# KiCad board popstar_v4.1_no_flex.kicad_pcb (continued)
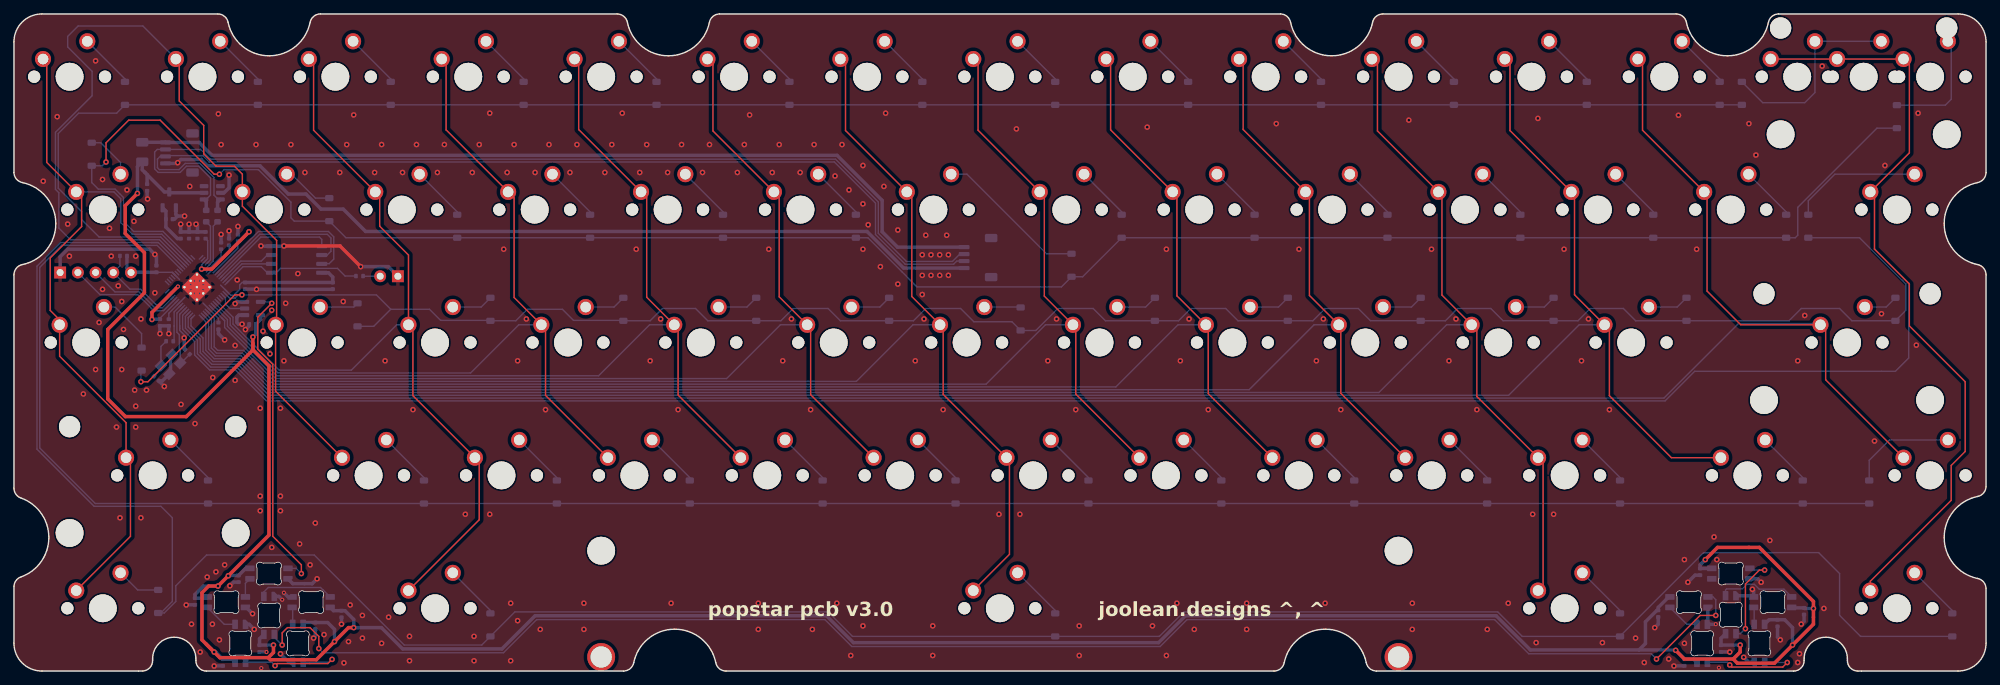
[diagram p0: board, top side]
## Nets (continued)
Net-(D59-A): D59.2 SW49.2
Net-(D60-A): D60.2 SW50.2
Net-(D61-A): D61.2 SW51.2
Net-(D62-A): D62.2 SW52.2
Net-(D63-A): D63.2 SW53.2
Net-(D64-A): D64.2 SW54.2
Net-(D65-A): D65.2 SW55.2
Net-(D66-A): D66.2 SW56.2
Net-(D67-A): D67.2 SW57.2
Net-(D68-A): D68.2 SW58.2
Net-(D69-A): D69.2 SW59.2
Net-(D70-A): D70.2 SW60.2
Net-(D71-A): D71.2 SW61.2
Net-(D72-A): D72.2 SW62.2

Pads without a net: D12 2; J1 MP; J2#2 MP; U3 1 6; U6 4 5 27 28 29 30 31 32 34 35

## Via types
v1: diameter 0.8, hole 0.4, Top to Bottom, 306 vias
v2: diameter 0.6, hole 0.3, Top to Bottom, 7 vias

## Routing (per net, layer and track width the routed paths; a pad name or vN(x,y) marks a point on that pad's centre or on a via; arc(x,y) is an arc through that point)
+1V1: length 32.7
  Top w0.5: v1(19.79,50.4) 19.79,51.41 v2(23.5,55.12) ; v1(26.9,57.62) 28.35,57.62 v1(33.7,62.97)
  Bottom w0.2: U6.50 32.11,60.63 C1.1 ; U6.23 20.93,50.58 C3.1 ; C2.1 27.77,61.7 27.77,59.12 U6.45 26.9,58.25 v1(26.9,57.62)
  Bottom w0.5: C1.1 32.33,61.61 v1(33.7,62.97) ; v1(19.79,50.4) 19.83,50.44 C3.1
+3V3: length 54
  Bottom w0.2: 24.49,53.57 U6.22 22.2,51.29 C9.1 ; C5.1 32.71,55.71 32.36,55.35 32.36,54.72 31.5,53.86 31.09,53.86 U6.1 29.62,55.32 ; 27.57,57.22 U6.48 29.69,59.35 C11.1 ; C12.1 29.31,50.54 U6.10 27.1,52.75 ; C7.1 30.84,59.92 U6.49 27.83,56.92 ; C8.1 22.69,57.16 U6.33 ; U6.33 23.73,56.12 ; U6.33 22.72,57.14
  Bottom w0.5: R1.1 16.2,59.5 16.2,57.71 J2.5 16.81,57.16 C8.1 ; U4.8 45.07,57.1 45.7,56.47 C17.1 45.7,55.71 C5.1 ; C4.1 23.43,61.99 21.78,63.64 C16.1 21.78,65.94 U2.2
+5V: length 466.4
  Top w0.5: 36.45,1.92 37.2,2.66 v1(37.2,3.72) ; 36.45,1.92 29.51,1.92 v1(28.7,2.72) ; 36.45,1.92 36.74,1.62 43.35,1.62 v1(45.95,4.22) 47.95,6.22 v1(48.7,6.22) ; 27.58,3.85 v1(28.7,2.72) ; 27.58,3.85 v1(28.7,2.72) ; 27.58,3.85 26.95,4.47 26.95,11.22 27.91,12.18 v1(29.25,12.18) v1(30.72,13.65) 36.55,19.49 36.55,43.75 34.25,46.05 34.25,46.97 ; 246.45,1.72 247.05,1.12 252.35,1.12 v1(254.95,3.72) 257.95,6.72 v1(257.95,8.97) 257.95,9.97 250.2,17.72 244.2,17.72 v1(242.45,15.97) ; 246.45,1.72 247.45,2.72 v1(247.45,3.72) ; 246.45,1.72 239.45,1.72 v1(238.2,2.97) ; v1(34.25,47.89) 34.25,46.97 ; 34.25,46.97 34.25,46.03 24.7,36.47 15.98,36.47 13.45,39 13.45,48.97 18.7,54.22 18.7,59.97 15.95,62.72 15.95,66.72 v1(17.7,68.47)
  Bottom w0.5: v1(45.95,4.22) 45.95,5.97 44.97,6.95 C22.1 41.71,6.95 D4.1 ; v1(254.95,3.72) 254.95,6.22 253.82,7.35 C27.1 251.61,7.35 D9.1 ; U5.5 35.34,50.38 C18.1 34.68,48.32 v1(34.25,47.89) ; D11.1 244.7,4.7 C29.1 244.72,3.72 v1(247.45,3.72) ; D6.1 35.2,4.62 C24.1 35.22,3.72 v1(37.2,3.72) ; 232.95,3.02 238.15,3.02 v1(238.2,2.97) 239.45,1.72 C26.1 240.8,1.7 D8.1 ; 232.95,3.02 233.87,3.94 233.87,7.06 235.52,8.7 C25.1 235.7,9.12 237.2,10.62 237.38,10.62 ; 232.95,3.02 217.37,3.02 212.47,7.92 167.93,7.92 164.07,4.07 120.33,4.07 116.47,7.92 74.7,7.92 69.95,3.17 55.72,3.17 52.67,6.22 v1(48.7,6.22) 48.7,7.4 47.45,8.65 C23.1 45.8,8.65 D5.1 ; D1.1 33.22,14.72 C19.1 30.77,13.7 v1(30.72,13.65) ; v1(257.95,8.97) 256.68,8.97 C28.1 254.9,9.05 D10.1 ; U3.5 22.38,68.56 U2.3 21.57,68.68 18.74,71.51 ; 18.74,71.51 19.09,71.17 C15.1 ; 18.74,71.51 18.39,71.86 F1.2 17.7,72.32 v1(17.7,68.47) ; v1(28.7,2.72) 28.93,2.72 C21.1 31.25,1.7 D3.1 ; 243.38,14.72 243.36,14.7 C30.1 241.7,15.22 v1(242.45,15.97) ; v1(29.25,12.18) 27.16,12.18 25.95,10.97 C20.1 27.56,10.45 D2.1
GND: length 279.2
  Top w0.5: v1(49.7,57.97) 46.73,60.94 v1(38.71,60.94)
  Top w0.6: U6.57 U6.57 ; U6.57 U6.57 ; U6.57 U6.57 ; U6.57 U6.57 ; U6.57 U6.57 ; U6.57 U6.57 ; U6.57 U6.57 ; U6.57 U6.57 ; U6.57 U6.57 ; U6.57 U6.57 ; U6.57 U6.57 ; U6.57 U6.57 ; U6.57 U6.57 ; U6.57 U6.57 ; U6.57 U6.57 ; U6.57 U6.57
  Bottom w0.2: 34.74,54.75 v1(34.77,54.72) ; v1(24.4,47.77) 24.4,48.19 23.76,48.83 23.76,49.47 ; 23.76,49.47 23.76,51.15 U6.19 ; 23.76,49.47 23.76,49.02 ; 24.48,46.13 C13.1 ; 243.93,6.7 v2(243.95,6.72)
  Bottom w0.5: v2(36.2,2.72) 36.18,2.74 C24.2 ; v1(24.7,9.47) 24.72,9.49 C20.2 ; D3.4 33.73,6.7 v1(34.45,5.97) ; v1(38.71,60.94) 38.68,60.91 U4.4 35.44,60.91 v1(35.41,60.94) ; C25.2 235.7,6.72 v1(235.2,6.22) ; v1(34.77,54.72) 45.68,54.72 C17.2 ; v2(38.7,11.22) 39.3,10.62 D5.4 ; v1(245.95,2.72) 245.93,2.74 C29.2 ; C12.2 29.31,48.36 v1(30.2,47.47) ; J2#2.4 127.53,57.77 122.29,63.02 50.41,63.02 47.2,66.22 44.02,66.22 41.86,68.38 39.32,68.38 35.27,72.43 27.77,72.43 26.86,73.34 23.92,73.34 v1(23.47,72.88) 23.37,72.78 J1.4 ; v1(43.45,13.22) 42.75,12.52 39.98,12.52 39.28,13.22 ; v1(237.95,0.72) 237.97,0.74 C26.2 ; 23.45,65.22 23.21,65.46 U2.1 ; 23.45,65.22 v1(24.45,65.22) ; 23.45,65.22 23.01,64.78 C16.2 ; 243.93,6.7 D8.4 242.83,6.77 D7.4 ; C23.2 v1(46.95,6.72) ; v1(24.4,47.77) 24.4,46.22 C13.1 ; C30.2 240.97,13.74 v1(239.95,12.72) ; C18.2 33.72,49.49 v1(33.18,48.96) ; Y1.2 22.44,45.17 22.44,42.76 Y1.4 21.28,41.6 C14.1 v1(21.56,40.8) ; C5.2 34.74,54.75 ; v1(23.9,64.06) C4.2 C6.2 ; v1(32.7,49.72) 32.2,49.72 31.95,49.97 31.95,50.72 32.25,51.02 U5.1 ; U5.3 31.95,52.92 v1(31.7,52.67) ; C1.2 v1(32.11,63.74) ; v1(20.93,48.37) C3.2 C9.2 v1(22.2,48.37) ; D9.4 248.68,1.25 v1(247.95,1.97) ; D11.4 249.2,10.8 249.38,10.62 249.38,11.55 v1(249.2,11.72) ; D6.4 37.98,10.7 v2(38.45,10.22) ; v1(30.95,12.22) 31.47,12.74 C19.2 ; C21.2 28.72,0.74 v1(28.7,0.72) ; v1(38.2,2.47) 39.43,1.25 D4.4 ; C10.2 26.3,63.86 v1(26.1,64.06) ; C10.2 C6.2 ; C10.2 C2.2 ; v1(250.45,12.72) 249.95,13.22 D12.4 ; v1(34.2,8.22) 33.3,9.12 D2.4 ; v1(30.84,71.1) 30.84,69.28 30.12,68.56 U3.2 ; C6.2 v1(25.1,64.06) ; C8.2 20.42,59.5 v1(20.2,59.72) 19.45,60.47 7.7,60.47 6.62,59.39 J2.1 ; v1(42.95,4.72) 43.2,4.97 C22.2 ; C15.2 19.09,67.74 v1(19.15,67.67) ; v1(256.2,6.72) 256.6,7.12 C28.2 ; v1(253.2,4.47) 252.8,4.87 C27.2 ; C11.2 v1(29.69,62.59) ; C7.2 v1(30.84,63.1) ; SW1.1 53.66,57.97 v1(49.7,57.97)
  vias: v1(4.2,70.22) v1(6.2,79.47) v1(7.7,64.07) v1(7.95,59.47) v1(9.95,39.72) v1(11.7,87.47) v1(11.7,43.22) v1(12.2,49.97) v1(12.7,70.47) v1(12.7,54.72) v1(13.7,63.47) v1(13.95,59.47) v1(14.7,34.97) v1(14.95,55.22) v1(15.2,21.97) v1(15.45,52.97) v1(15.45,43.22) v1(15.7,48.97) v1(16.2,68.97) v1(17.2,64.47) v1(17.3,40.27) v1(17.45,59.47) v1(17.45,37.97) v1(17.45,34.97) v1(18.2,50.47) v1(18.2,21.97) v1(19,40.27) v1(20.2,54.22) v1(23.95,38.22) v1(25.2,69.47) v1(25.45,6.72) v1(25.95,35.47) v1(26.7,2.72) v1(27.7,13.47) v1(28.5,42.07) v1(28.45,6.72) v1(28.95,14.22) v1(29.3,79.87) v1(29.45,4.47) v1(29.7,75.47) v1(30.2,15.22) v1(31.7,46.67) v1(31.7,41.67) v1(32,56.07) v1(34.7,75.47) v1(35.3,37.67) v1(35.3,25.07) v1(35.3,22.97) v1(35.7,48.72) v1(36.7,45.47) v1(36.95,51.72) v1(36.95,17.72) v1(38.2,37.67) v1(38.2,25.07) v1(38.2,22.97) v1(38.7,44.47) v1(38.95,52.72) v1(39.7,75.47) v1(40.7,56.97) v1(40.95,18.22) v1(41.7,71.47) v1(42.45,15.22) v1(43.2,21.22) v1(44.45,5.22) v1(46.7,71.47) v1(47.2,52.97) v1(47.3,1.17) v1(47.7,75.47) v1(47.95,4.22) v1(48.2,9.47) v1(48.7,79.72) v1(49.95,7.97) v1(49.95,4.72) v1(51.7,71.47) v1(52.7,75.47) v1(52.7,3.97) v1(53.2,44.47) v1(53.7,7.72) v1(55.7,71.47) v1(56.7,4.97) v1(56.7,1.47) v1(57.2,37.47) v1(57.7,75.47) v1(60.7,71.47) v1(61.7,75.47) v1(64.7,22.47) v1(65.7,71.47) v1(65.95,4.97) v1(65.95,1.47) v1(66.7,75.47) v1(68.2,79.97) v1(68.2,22.47) v1(70.2,60.47) v1(70.7,71.47) v1(71.2,9.72) v1(71.2,1.47) v1(71.7,75.47) v1(72.2,44.47) v1(72.2,7.22) v1(73.45,50.47) v1(74.7,71.47) v1(75.45,5.97) v1(76.2,37.47) v1(76.7,75.47) v1(79.7,71.47) v1(80.7,75.47) v1(81.7,9.72) v1(81.7,5.97) v1(84.7,71.47) v1(85.7,75.47) v1(87.2,79.97) v1(89.2,60.47) v1(89.7,71.47) v1(90.7,75.47) v1(91.2,44.47) v1(92.7,50.47) v1(93.7,71.47) v1(94.2,9.72) v1(95.2,37.47) v1(95.7,75.47) v1(98.7,71.47) v1(99.7,75.47) v1(103.7,71.47) v1(104.7,75.47) v1(105.45,79.72) v1(106.7,9.72) v1(106.7,5.97) v1(108.2,60.47) v1(108.7,71.47) v1(109.7,75.47) v1(110.2,44.47) v1(111.45,50.47) v1(112.7,71.47) v1(114.2,37.47) v1(114.45,5.97) v1(114.7,75.47) v1(117.7,70.97) v1(117.95,9.72) v1(118.7,75.47) v1(119.7,68.97) v1(119.95,2.22) v1(121.7,72.47) v1(121.7,66.97) v1(121.7,60.47) v1(121.7,6.47) v1(122.45,63.97) v1(124.2,57.97) v1(124.7,69.47) v1(124.95,79.97) v1(126.7,63.22) v1(126.7,55.47) v1(129.2,44.47) v1(130.2,59.67) v1(130.2,56.72) v1(130.2,53.97) v1(130.45,50.47) v1(130.7,62.47) v1(131.45,59.67) v1(131.45,56.72) v1(131.7,6.47) v1(131.7,2.22) v1(132.7,59.67) v1(132.7,56.72) v1(133.2,37.47) v1(133.7,62.47) v1(133.95,59.67) v1(133.95,56.72) v1(141.2,22.47) v1(143.7,77.72) v1(144.2,22.47) v1(148.2,44.47) v1(149.45,50.47) v1(152.2,37.47) v1(152.7,6.47) v1(152.7,2.22) v1(162.45,77.97) v1(163.2,6.47) v1(165.2,60.47) v1(165.2,2.22) v1(166.7,9.72) v1(167.2,44.47) v1(168.45,50.47) v1(169.2,5.97) v1(171.2,37.47) v1(176.7,9.72) v1(176.7,5.97) v1(180.95,78.47) v1(184.2,60.47) v1(186.7,44.47) v1(187.7,50.47) v1(187.95,9.72) v1(190.2,37.47) v1(199.95,78.97) v1(200.45,9.72) v1(200.45,5.97) v1(203.2,60.47) v1(205.7,44.47) v1(206.7,50.47) v1(209.7,37.47) v1(211.2,5.97) v1(214.2,9.72) v1(217.7,22.47) v1(218.2,4.07) v1(218.45,79.22) v1(220.7,22.47) v1(222.2,60.47) v1(224.7,44.47) v1(225.7,50.47) v1(227.7,4.07) v1(228.7,37.47) v1(232.45,4.72) v1(233.7,1.22) v1(237.2,1.72) v1(238.6,79.67) v1(239.45,15.97) v1(239.45,3.97) v1(241.2,60.47) v1(243.7,19.22) v1(244.1,15.97) v1(248.7,78.47) v1(249.7,73.97) v1(251.7,18.72) v1(255.7,44.47) v1(255.7,1.22) v1(255.95,2.47) v1(256.7,50.97) v1(259.2,86.72) v1(259.45,8.97) v1(266.7,32.97) v1(267.7,51.22) v1(268.2,72.47) v1(272.7,46.72) v1(272.95,79.97) v2(35.45,0.42) v2(244.4,0.47)
VBUS: length 126.7
  Bottom w0.5: J2#2.1 126.65,60.77 124.45,62.97 124.45,67.47 118,73.93 28.39,73.93 26.54,75.78 J1.1 21.7,75.8 F1.1
/D_+: length 6.7
  Bottom w0.2: R2.2 28.57,63.78 28.57,58.79 U6.47
/D_-: length 6.4
  Bottom w0.2: U6.46 28.17,58.95 28.17,63.79 R3.2
/XTAL_O: length 5.7
  Bottom w0.2: R4.1 21.07,46.54 Y1.1 21.07,43.27 C14.2
/~{USB_BOOT}: length 2.5
  Bottom w0.2: SW1.2 50.07,56.6 R5.1
ARGB_3V3: length 4.4
  Bottom w0.2: U5.2 30.95,51.97 30.31,52.61 30.31,53.5 U6.3
ARGB_5V: length 46.1
  Top w0.2: v1(41.2,13.97) 41.2,15.22 37.1,19.32 37.1,43.97 34.95,46.13 34.95,50.72 v1(36.95,52.72)
  Bottom w0.2: v1(36.95,52.72) 36.75,52.92 U5.4 ; 39.28,14.72 40.45,14.72 v1(41.2,13.97)
COL00: length 110.6
  Top w0.2: SW2.1 4.7,87.2 4.7,72.92 9.7,67.92 9.7,63.72 5.2,59.22 5.2,51.7 6.55,50.35 SW30.1 6.55,45.13 16.07,35.6 SW43.1 16.7,29.96 16.7,19.31 8.93,11.54
  Bottom w0.2: 8.93,68.69 14.33,68.69 15.3,67.72 15.3,64.31 16.98,62.62 21.19,62.62 U6.40
COL01: length 138.4
  Top w0.2: SW44.1 37.5,40.11 SW31.1 37.65,49.79 37.65,61.74 32.74,66.65 32.74,71.23 31.6,72.37 28.97,72.37 27.2,74.15 27.2,78.22 23.7,81.72 23.7,87.25 SW3.1
  Bottom w0.2: U6.38 20.86,61.82 8.11,61.82 6.43,63.5 6.43,68.57 5.95,69.05 5.95,77.22 11.2,82.47 11.2,85.97 7.7,89.47 7.7,90.97 9.2,92.47 18.48,92.47 SW3.1
COL02: length 125.4
  Top w0.2: 56.55,11.54 66.7,21.69 66.7,29.97 66.09,30.59 SW45.1 57.19,39.48 57.19,49 SW32.1 56.55,59.64 52.43,63.77 52.43,68.05 42.95,77.53 42.95,87.05 SW4.1
  Bottom w0.2: SW32.1 54.87,49.64 48.36,43.13 38.02,43.13 31.4,49.75 31.4,50.72 U6.6
COL03: length 121.4
  Top w0.2: SW5.1 61.95,87.1 61.95,77.58 71.7,67.83 71.7,53.54 SW33.1 76.2,49.04 76.2,39.52 SW46.1
  Bottom w0.2: SW33.1 72.37,49.64 65.46,42.73 37.85,42.73 31,49.58 31,50.55 U6.7
COL04: length 140.9
  Top w0.2: SW6.1 80.95,87.15 80.95,77.63 90.7,67.88 90.7,53.59 SW34.1 95.2,49.09 95.2,39.57 SW47.1
  Bottom w0.2: U6.8 30.6,50.39 30.6,49.42 37.68,42.33 83.81,42.33 91.12,49.64 SW34.1
COL05: length 161
  Top w0.2: SW48.1 114.2,39.62 114.2,49.14 SW35.1 109.7,53.64 109.7,67.93 100.2,77.43 100.2,86.95 SW7.1
  Bottom w0.2: 29.82,50.6 30.2,50.22 ; 29.82,50.6 U6.9 ; 29.82,50.6 30.2,50.22 ; 30.2,50.22 30.2,49.25 37.52,41.93 102.16,41.93 109.87,49.64 SW35.1
COL06: length 203.4
  Top w0.2: SW8.1 119.2,87 119.2,77.48 128.7,67.98 128.7,53.69 SW36.1 133.2,49.19 133.2,39.67 SW49.1 142.7,30.17 142.7,16.72 137.52,11.54
  Bottom w0.2: U6.11 28.7,50.59 28.7,46.47 29.2,45.97 32.91,45.97 37.35,41.53 120.76,41.53 128.87,49.64 SW36.1
COL07: length 201.6
  Top w0.2: SW9.1 138.2,87.05 138.2,77.53 147.7,68.03 147.7,53.74 SW37.1 151.8,49.37 152.2,48.97 152.2,39.72 SW50.1
  Bottom w0.2: SW37.1 147.87,49.64 139.36,41.13 37.19,41.13 32.74,45.57 29.03,45.57 28.3,46.31 28.3,50.42 U6.12
COL08: length 221.6
  Top w0.2: SW38.1 171.04,49.64 171.2,49.47 ; SW38.1 166.7,53.79 166.7,68.08 157.2,77.58 157.2,87.1 SW10.1 ; SW38.1 171.2,49.29 171.2,39.77 SW51.1
  Bottom w0.2: U6.13 27.9,50.26 27.9,46.14 28.87,45.17 32.58,45.17 37.02,40.73 157.96,40.73 166.87,49.64 SW38.1
COL09: length 240.7
  Top w0.2: SW52.1 190.2,39.82 190.2,49.34 SW39.1 185.7,53.84 185.7,68.13 176.2,77.63 176.2,87.15 SW11.1
  Bottom w0.2: U6.14 27.5,50.09 27.5,45.98 28.7,44.77 32.41,44.77 36.86,40.33 177.06,40.33 186.37,49.64 SW39.1
COL10: length 280.7
  Top w0.2: SW12.1 195.45,86.95 195.45,77.43 204.7,68.18 204.7,53.89 SW40.1 209.7,48.89 209.7,39.37 SW53.1 219.2,29.87 219.2,12.26 218.48,11.54
  Bottom w0.2: SW40.1 205.37,49.64 195.66,39.93 36.69,39.93 32.25,44.37 28.54,44.37 27.1,45.81 27.1,47.75 25.38,49.47 25.38,50.51 U6.15
COL11: length 288.4
  Top w0.2: SW13.1 214.45,87 214.45,77.48 223.7,68.23 223.7,53.94 SW41.1 228.7,48.94 228.7,39.47 237.59,30.59 SW54.1
  Bottom w0.2: U6.16 24.98,50.67 24.98,49.31 26.7,47.59 26.7,45.65 28.37,43.97 32.08,43.97 36.53,39.53 214.26,39.53 224.37,49.64 SW41.1
COL12: length 326.2
  Top w0.2: SW55.1 259.7,41.75 259.7,48.9 SW42.1 247.54,49.64 242.7,54.47 242.7,68.28 233.45,77.53 233.45,87.05 SW14.1
  Bottom w0.2: SW42.1 258.79,49.81 247.2,49.81 236.52,39.13 36.36,39.13 31.92,43.57 28.21,43.57 26.3,45.48 26.3,47.42 24.58,49.14 24.58,50.84 U6.17
COL13: length 394.1
  Top w0.2: SW16.1 SW15.1 SW61.1 271.7,86.9 271.7,74.29 266.1,68.69 266.7,68.09 266.7,60.47 271.7,55.47 271.7,49.47 279.7,41.47 279.7,31.47 277.7,29.47 277.7,24.47 266.1,12.88 266.1,11.54
  Bottom w0.2: 266.1,68.69 266.7,68.09 266.7,60.54 271.6,55.64 271.6,44.87 269.7,42.97 240.93,42.97 236.68,38.73 36.19,38.73 31.75,43.17 ; 31.2,43.17 31.75,43.17 ; 31.2,43.17 28.04,43.17 25.9,45.32 25.9,47.26 24.18,48.98 24.18,51.01 U6.18 ; 31.2,43.17 31.75,43.17
CS: length 20.6
  Bottom w0.2: U6.56 32.84,57.97 35.45,57.97 36.32,57.1 U4.1 37.58,57.1 38.2,57.72 46.37,57.72 47.47,56.62 R5.2
D_N: length 142.9
  Bottom w0.2: J2#2.2 135.58,59.77 134.53,58.72 127.92,58.72 123.9,62.75 123.9,67.25 117.77,73.38 28.16,73.38 26.76,74.78 J1.2 20.54,74.78 20.17,74.4 20.17,71.99 20.68,71.48 23.83,71.48 24.72,72.38 26.48,72.38 28.17,70.68 28.17,68.23 27.56,67.61 U3.4
  Bottom w0.5: R3.1 27.56,67.3 U3.4
D_P: length 141.2
  Bottom w0.2: U3.3 29.29,67.61 28.67,68.23 28.67,70.75 26.64,72.78 24.55,72.78 23.66,71.88 20.84,71.88 20.57,72.16 20.57,73.39 20.96,73.78 J1.3 21.83,73.89 27.09,73.89 28,72.98 117.6,72.98 123.5,67.08 123.5,62.58 127.76,58.32 134.7,58.32 135.15,58.77 J2#2.3
  Bottom w0.5: R2.1 29.18,67.2 U3.3
QSPI_CLK: length 22.2
  Bottom w0.2: U4.6 44.9,59.64 45.44,60.18 45.44,62.09 44.91,62.61 35.22,62.61 U6.52
ROW0: length 274.4
  Bottom w0.2: U6.39 21.02,62.22 12.2,62.22 9.7,64.72 9.7,65.87 6.35,69.22 6.35,77.06 9.27,79.97 14.72,79.97 D13.1 D14.1 D15.1 D16.1 D17.1 D18.1 D19.1 D20.1 D21.1 D22.1 D23.1 D24.1 D25.1 D26.1
ROW1: length 309.8
  Top w0.2: v1(13.2,72.97) 13.2,75.72 16.45,78.97 20.95,78.97 28.7,71.22 v1(29.45,71.22)
  Bottom w0.2: v1(29.45,71.22) 30.11,71.88 35.05,71.88 39.7,67.22 39.7,64.97 40.18,64.5 D28.1 47.58,62.12 D29.1 D30.1 D31.1 D32.1 122.41,62.12 129.45,55.07 150.15,55.07 D33.1 153.19,56.52 D34.1 D35.1 D36.1 D37.1 D38.1 D39.1 255.34,62.12 255.7,62.47 255.7,66.47 267.05,77.82 D71.1 ; U6.41 21.36,63.02 17.15,63.02 15.7,64.47 15.7,67.89 14.5,69.09 12.09,69.09 11.15,70.02 D27.1 12.66,72.44 v1(13.2,72.97)
ROW2: length 306.9
  Top w0.2: v1(18.2,41.47) 19.21,41.47 31.66,53.92 v1(32.68,53.92)
  Bottom w0.2: D40.1 18.2,42.97 v1(18.2,41.47) ; 31.69,53.49 32.13,53.92 v1(32.68,53.92) 51.95,53.92 54.01,51.86 ; 31.69,53.49 31.66,53.46 ; 31.69,53.49 31.66,53.46 ; 54.01,51.86 59.57,51.86 61.16,50.27 68.24,50.27 D42.1 71.94,50.21 73.59,51.86 78.62,51.86 80.21,50.27 87.29,50.27 D43.1 91.19,50.21 92.95,51.97 97.7,51.97 99.46,50.21 D44.1 109.94,50.21 111.7,51.97 116.7,51.97 118.46,50.21 D45.1 128.94,50.21 130.7,51.97 135.7,51.97 137.6,50.07 143.05,50.07 D46.1 146.48,48.82 149.63,51.97 154.7,51.97 156.46,50.21 D47.1 166.94,50.21 168.7,51.97 173.7,51.97 175.46,50.21 D48.1 186.19,50.21 187.95,51.97 192.7,51.97 194.45,50.22 201.64,50.22 D49.1 205.19,50.21 206.95,51.97 211.7,51.97 213.45,50.22 220.69,50.22 D50.1 224.19,50.21 225.95,51.97 230.7,51.97 232.46,50.21 D51.1 254.44,50.21 256.2,51.97 261.7,51.97 263.46,50.21 D52.1 271.2,51.71 271.2,55.47 264.56,62.12 D72.1 ; 54.01,51.86 51.57,49.42 D41.1 ; 31.66,53.46 30.92,53.46 U6.2
ROW3: length 314.4
  Bottom w0.2: U6.36 20.53,61.02 6.85,61.02 3.7,57.87 3.7,31.97 11.66,24.02 D53.1 D54.1 D55.1 D56.1 D57.1 D58.1 D59.1 D60.1 D61.1 D62.1 D63.1 D64.1 D65.1
ROW4: length 376.3
  Bottom w0.2: U6.37 20.69,61.42 ; 20.69,61.42 19.7,61.42 ; 20.69,61.42 19.7,61.42 ; 19.7,61.42 6.68,61.42 3.3,58.04 3.3,31.81 11.49,23.62 21.06,23.62 22.7,21.97 22.7,9.97 21.05,8.32 D66.1 21.55,8.32 23.2,9.97 23.2,12.22 27.61,16.63 43.04,16.63 55.95,3.72 67.06,3.72 D67.1 71.81,8.47 116.7,8.47 120.2,4.97 149.26,4.97 D68.1 164.19,4.97 167.7,8.47 212.7,8.47 216.2,4.97 230.22,4.97 D69.1 230.23,5 242.2,16.97 258.7,16.97 261.7,13.97 261.7,7.97 264.71,4.97 D70.1
SD0: length 18
  Bottom w0.2: U6.53 35.39,62.21 43.79,62.21 44.12,61.88 U4.5
SD1: length 7.7
  Bottom w0.2: U4.2 32.68,58.37 U6.55
SD2: length 8.4
  Bottom w0.2: U6.54 32.51,58.77 35.45,58.77 36.32,59.64 U4.3
SD3: length 24.7
  Bottom w0.2: U4.7 44.15,58.4 45.19,58.4 45.84,59.06 45.84,62.25 45.08,63.01 35.06,63.01 U6.51
SWCLK: length 16.9
  Bottom w0.2: J2.2 12.34,53.96 17.75,53.96 20.04,51.67 21.45,51.67 U6.24
SWD: length 13.8
  Bottom w0.2: J2.3 14.48,54.36 17.92,54.36 20.21,52.07 21.29,52.07 U6.25
XTAL_IN: length 10.5
  Bottom w0.2: C13.2 23.94,44.15 Y1.3 23.85,44.17 23.85,45.88 23.7,46.03 23.7,48.22 23.36,48.56 23.36,51.32 U6.20
XTAL_OUT: length 5.6
  Bottom w0.2: U6.21 22.96,51.48 22.96,49.47 22.96,49.47 22.96,47.4 R4.2
~{RESET}: length 13.6
  Bottom w0.2: U6.26 21.12,52.47 20.42,52.47 18.14,54.76 16.62,54.76 J2.4 15.19,58.08 R1.2
Net-(D1-DOUT): length 2.9
  Bottom w0.2: D2.3 33.18,12.57 D1.2
Net-(D2-DOUT): length 5
  Bottom w0.2: D3.3 30.15,6.7 D2.2
Net-(D3-DOUT): length 17.3
  Top w0.2: v1(37.43,0.78) 37.73,1.07 45,1.07 v1(45.6,1.67)
  Bottom w0.2: v1(37.43,0.78) 36.95,1.25 D3.2 ; D4.3 45.18,1.25 v1(45.6,1.67)
Net-(D4-DOUT): length 2.5
  Bottom w0.2: D5.3 39.95,9.05 D4.2
Net-(D5-DOUT): length 11
  Bottom w0.2: D6.3 35.83,11.35 36.45,11.97 43.95,11.97 44.31,11.62 44.33,11.62 D5.2
Net-(D6-DOUT): length 225.7
  Top w0.2: v1(38.45,3.72) 38.45,5.47 39.2,6.22 42.44,6.22 43.7,4.96 v1(43.7,3.22) ; v1(243.95,7.97) 241.7,7.97 v1(235.45,1.72)
  Bottom w0.2: v1(235.45,1.72) 234.7,2.47 217.14,2.47 212.24,7.37 168.16,7.37 164.3,3.52 120.1,3.52 116.24,7.37 74.93,7.37 70.18,2.62 44.3,2.62 v1(43.7,3.22) ; D7.3 243.55,10.62 243.95,10.22 v1(243.95,7.97) ; D6.2 37.33,4.85 v1(38.45,3.72)
Net-(D7-DOUT): length 4.9
  Bottom w0.2: 237.38,9.12 239.8,6.7 D8.3
Net-(D8-DOUT): length 15.3
  Top w0.2: v1(254.2,1.22) 253.55,0.57 246.25,0.57 v1(245.95,0.88)
  Bottom w0.2: v1(245.95,0.88) 245.58,1.25 D8.2 ; D9.3 250.98,1.22 v1(254.2,1.22)
Net-(D10-DIN): length 2.5
  Bottom w0.2: 249.38,9.12 249.45,9.05 D9.2
Net-(D10-DOUT): length 11.4
  Bottom w0.2: D10.2 253.71,11.74 250.18,11.74 249.49,12.42 248.4,12.42 247.75,11.77 245.5,11.77 245.35,11.62 D11.3
Net-(D11-DOUT): length 13.9
  Top w0.2: v1(248.2,6.07) 248.2,12.47 250.2,14.47 v1(250.95,14.47)
  Bottom w0.2: D11.2 247.48,5.35 v1(248.2,6.07) ; v1(250.95,14.47) 249.08,14.47 D12.3
Net-(D13-A): length 8
  Bottom w0.2: D13.2 15.91,84.88 SW2.2
Net-(D14-A): length 8
  Bottom w0.2: SW3.2 34.96,84.88 D14.2
Net-(D15-A): length 8
  Bottom w0.2: D15.2 54.01,84.88 SW4.2
Net-(D16-A): length 8
  Bottom w0.2: D16.2 73.06,84.88 SW5.2
Net-(D17-A): length 8
  Bottom w0.2: D17.2 92.11,84.88 SW6.2
Net-(D18-A): length 8
  Bottom w0.2: SW7.2 111.16,84.88 D18.2
Net-(D19-A): length 8
  Bottom w0.2: D19.2 130.21,84.88 124.82,90.28
Net-(D20-A): length 8
  Bottom w0.2: D20.2 149.26,84.88 SW9.2
Net-(D21-A): length 8
  Bottom w0.2: SW10.2 168.31,84.88 D21.2
Net-(D22-A): length 8
  Bottom w0.2: SW11.2 187.36,84.88 D22.2
Net-(D23-A): length 8
  Bottom w0.2: D23.2 206.41,84.88 SW12.2
Net-(D24-A): length 8
  Bottom w0.2: SW13.2 225.46,84.88 D24.2
Net-(D25-A): length 8
  Bottom w0.2: SW14.2 244.51,84.88 D25.2
Net-(D26-A): length 29.2
  Bottom w0.2: D26.2 250.68,81.47 256.7,81.47 258.17,82.94 258.17,90.28 SW15.2
Net-(D27-A): length 7
  Bottom w0.2: D27.2 12.44,75.74 15.28,72.9 15.28,71.23
Net-(D28-A): length 6.8
  Bottom w0.2: D28.2 43.22,67.8 39.79,71.23
Net-(D29-A): length 8
  Bottom w0.2: D29.2 63.54,65.83 58.14,71.23
Net-(D30-A): length 8
  Bottom w0.2: D30.2 82.59,65.83 77.19,71.23
Net-(D31-A): length 8
  Bottom w0.2: D31.2 101.64,65.83 96.24,71.23
Net-(D32-A): length 8
  Bottom w0.2: 115.29,71.23 120.69,65.83 D32.2
Net-(D33-A): length 22
  Bottom w0.2: 134.34,71.23 136.6,71.23 148.01,59.82 D33.2
Net-(D34-A): length 8
  Bottom w0.2: 153.39,71.23 158.79,65.83 D34.2
Net-(D35-A): length 8
  Bottom w0.2: 172.44,71.23 177.84,65.83 D35.2
Net-(D36-A): length 8
  Bottom w0.2: D36.2 196.89,65.83 191.49,71.23
Net-(D37-A): length 8
  Bottom w0.2: D37.2 215.94,65.83 210.54,71.23
Net-(D38-A): length 8
  Bottom w0.2: 229.59,71.23 234.99,65.83 D38.2
Net-(D39-A): length 8
  Bottom w0.2: D39.2 254.04,65.83 248.64,71.23
Net-(D40-A): length 9
  Bottom w0.2: SW30.2 14.5,52.18 18.29,48.38 D40.2
Net-(D41-A): length 5.6
  Bottom w0.2: D41.2 48.71,52.18 SW31.2
Net-(D42-A): length 5.9
  Bottom w0.2: SW32.2 66.97,52.18 D42.2
Net-(D43-A): length 5.9
  Bottom w0.2: D43.2 86.02,52.18 SW33.2
Net-(D44-A): length 5.9
  Bottom w0.2: SW34.2 105.07,52.18 D44.2
Net-(D45-A): length 5.9
  Bottom w0.2: SW35.2 124.12,52.18 D45.2
Net-(D46-A): length 5.2
  Bottom w0.2: SW36.2 144.25,52.18 D46.2
Net-(D47-A): length 5.9
  Bottom w0.2: D47.2 162.22,52.18 SW37.2
Net-(D48-A): length 5.9
  Bottom w0.2: D48.2 181.27,52.18 SW38.2
Net-(D49-A): length 5.9
  Bottom w0.2: D49.2 200.32,52.18 SW39.2
Net-(D50-A): length 5.9
  Bottom w0.2: SW40.2 219.37,52.18 D50.2
Net-(D51-A): length 5.9
  Bottom w0.2: D51.2 238.42,52.18 SW41.2
Net-(D52-A): length 4.9
  Bottom w0.2: D52.2 268.37,52.18 SW42.2
Net-(D53-A): length 8
  Bottom w0.2: D53.2 27.82,27.73 SW43.2
Net-(D54-A): length 8
  Bottom w0.2: SW44.2 58.78,27.73 D54.2
Net-(D55-A): length 8
  Bottom w0.2: SW45.2 77.83,27.73 D55.2
Net-(D56-A): length 8
  Bottom w0.2: SW46.2 96.88,27.73 D56.2
Net-(D57-A): length 8
  Bottom w0.2: SW47.2 115.93,27.73 D57.2
Net-(D58-A): length 8
  Bottom w0.2: SW48.2 134.98,27.73 D58.2
Net-(D59-A): length 8
  Bottom w0.2: SW49.2 154.03,27.73 D59.2
Net-(D60-A): length 8
  Bottom w0.2: D60.2 173.08,27.73 SW50.2
Net-(D61-A): length 8
  Bottom w0.2: SW51.2 192.13,27.73 D61.2
Net-(D62-A): length 8
  Bottom w0.2: D62.2 211.18,27.73 SW52.2
Net-(D63-A): length 8
  Bottom w0.2: SW53.2 230.23,27.73 D63.2
Net-(D64-A): length 8
  Bottom w0.2: SW54.2 256.42,27.73 D64.2
Net-(D65-A): length 15.4
  Bottom w0.2: D65.2 265.94,30.22 268.86,33.13 SW55.2
Net-(D66-A): length 6.4
  Bottom w0.2: D66.2 17.73,11.62 SW56.2
Net-(D67-A): length 8
  Bottom w0.2: SW57.2 68.3,8.68 D67.2
Net-(D68-A): length 8
  Bottom w0.2: SW58.2 149.26,8.68 D68.2
Net-(D69-A): length 8
  Bottom w0.2: SW59.2 230.23,8.68 D69.2
Net-(D70-A): length 8
  Bottom w0.2: SW60.2 277.85,8.68 D70.2
Net-(D71-A): length 16.6
  Bottom w0.2: D71.2 276.85,81.12 277.7,81.97 277.7,89.79 SW61.2
Net-(D72-A): length 18.8
  Bottom w0.2: D72.2 257.21,67.42 261.02,71.23 272.45,71.23

## Copper pours and planes (outline as drawn; the poured copper is in the pictures)
+1V1 on Bottom: 23.77,54.97 23.72,54.9 23.67,54.86 23.61,54.83 23.55,54.81 23.47,54.81 23.41,54.82 23.36,54.84 23.31,54.87 23.27,54.9 23.24,54.94 23.21,54.99 23.19,55.04 23.18,55.1 23.19,55.18 23.2,55.22 23.23,55.28 23.25,55.31 23.31,55.37 23.34,55.39 23.38,55.41 23.41,55.42 23.45,55.43 23.59,55.43 25.91,57.75 25.97,57.78 26.52,57.78 26.57,57.86 26.6,57.9 26.63,57.93 26.67,57.96 26.72,57.99 26.76,58.01 26.86,58.03 26.96,58.03 27.03,58.01 27.1,57.98 27.17,57.93 27.22,57.88 27.26,57.82 27.29,57.76 27.31,57.67 27.31,57.58 27.3,57.51 27.27,57.44 27.23,57.37 27.16,57.3 27.08,57.25 27,57.22 26.94,57.21 26.86,57.21 26.79,57.22 26.72,57.25 26.65,57.29 26.6,57.34 26.55,57.4 26.52,57.46 26.06,57.46 23.8,55.2 23.81,55.13 23.81,55.07 23.8,55.03
+3V3 on Bottom: 22.4,55.07 26.25,51.17 30.1,55.02 26.75,58.42 27.55,59.27 27.25,61.42 26.85,61.42 26.85,62.47 22.6,62.47 24.05,60.72 25.2,59.52 26,58.72
GND on Top: -1.8,94.47 -1.8,-1.03 284.2,-0.53 284.2,94.47
GND on Bottom: -1.8,94.47 -1.8,-1.03 284.2,-0.53 284.2,94.47

## Text on the board
B.Silkscreen: $ | 4 | } / ] | ! / 1 | @ / 2 | # / 3 | % / 5 | ^ / 6 | & / 7 | * / 8 | ( / 9 | < / , | ) / 0 | > / . | : / ; | _ / - | ? / / | {dblquote} / ' | + / = | ~ / ` | ESC | TAB | STEP_CAPS | 1.5U_LCTRL | 2.25U_LSHIFT | Q | A | Z | W | S | 1.5U_LALT | X | E | D | C | R | F | V | T | G | B | Y | H | N | 7U_SPACEBAR | U | J | M | I | K | O | L | P | 1.5U_RALT | 1.75U_RSHIFT | 2U_BACK | 2.25U_ENTER | 1.5U_RCTRL | FN | 1.5U_BACK / | / \
User.Drawings: D12
F.Silkscreen: popstar pcb v3.0 | joolean.designs ^, ^
User.1: D2 | D3 | D1 | D6 | D4 | D5 | D7 | D8 | D12 | D11 | D9 | D10
